# Altium PCB Main_Board.PcbDoc (part 12 of 19)
Units mil, origin at the board's own origin, x right, y up, seen from the top; angles counter-clockwise.
Board outline 5306 x 6610 mil, 12 copper layers ((L1) Top, (L2) Inner 1, (L3) Inner 2, (L4) Inner 3, (L5) Inner 4, (L6) Inner 5, (L7) Inner 6, (L8) Inner 7, (L9) Inner 8, (L10) Inner 9, (L11) Inner 10, (L12) Bottom), stack 94.81 mil thick; 347 components, 571 nets, 2611 pads, 4053 vias.
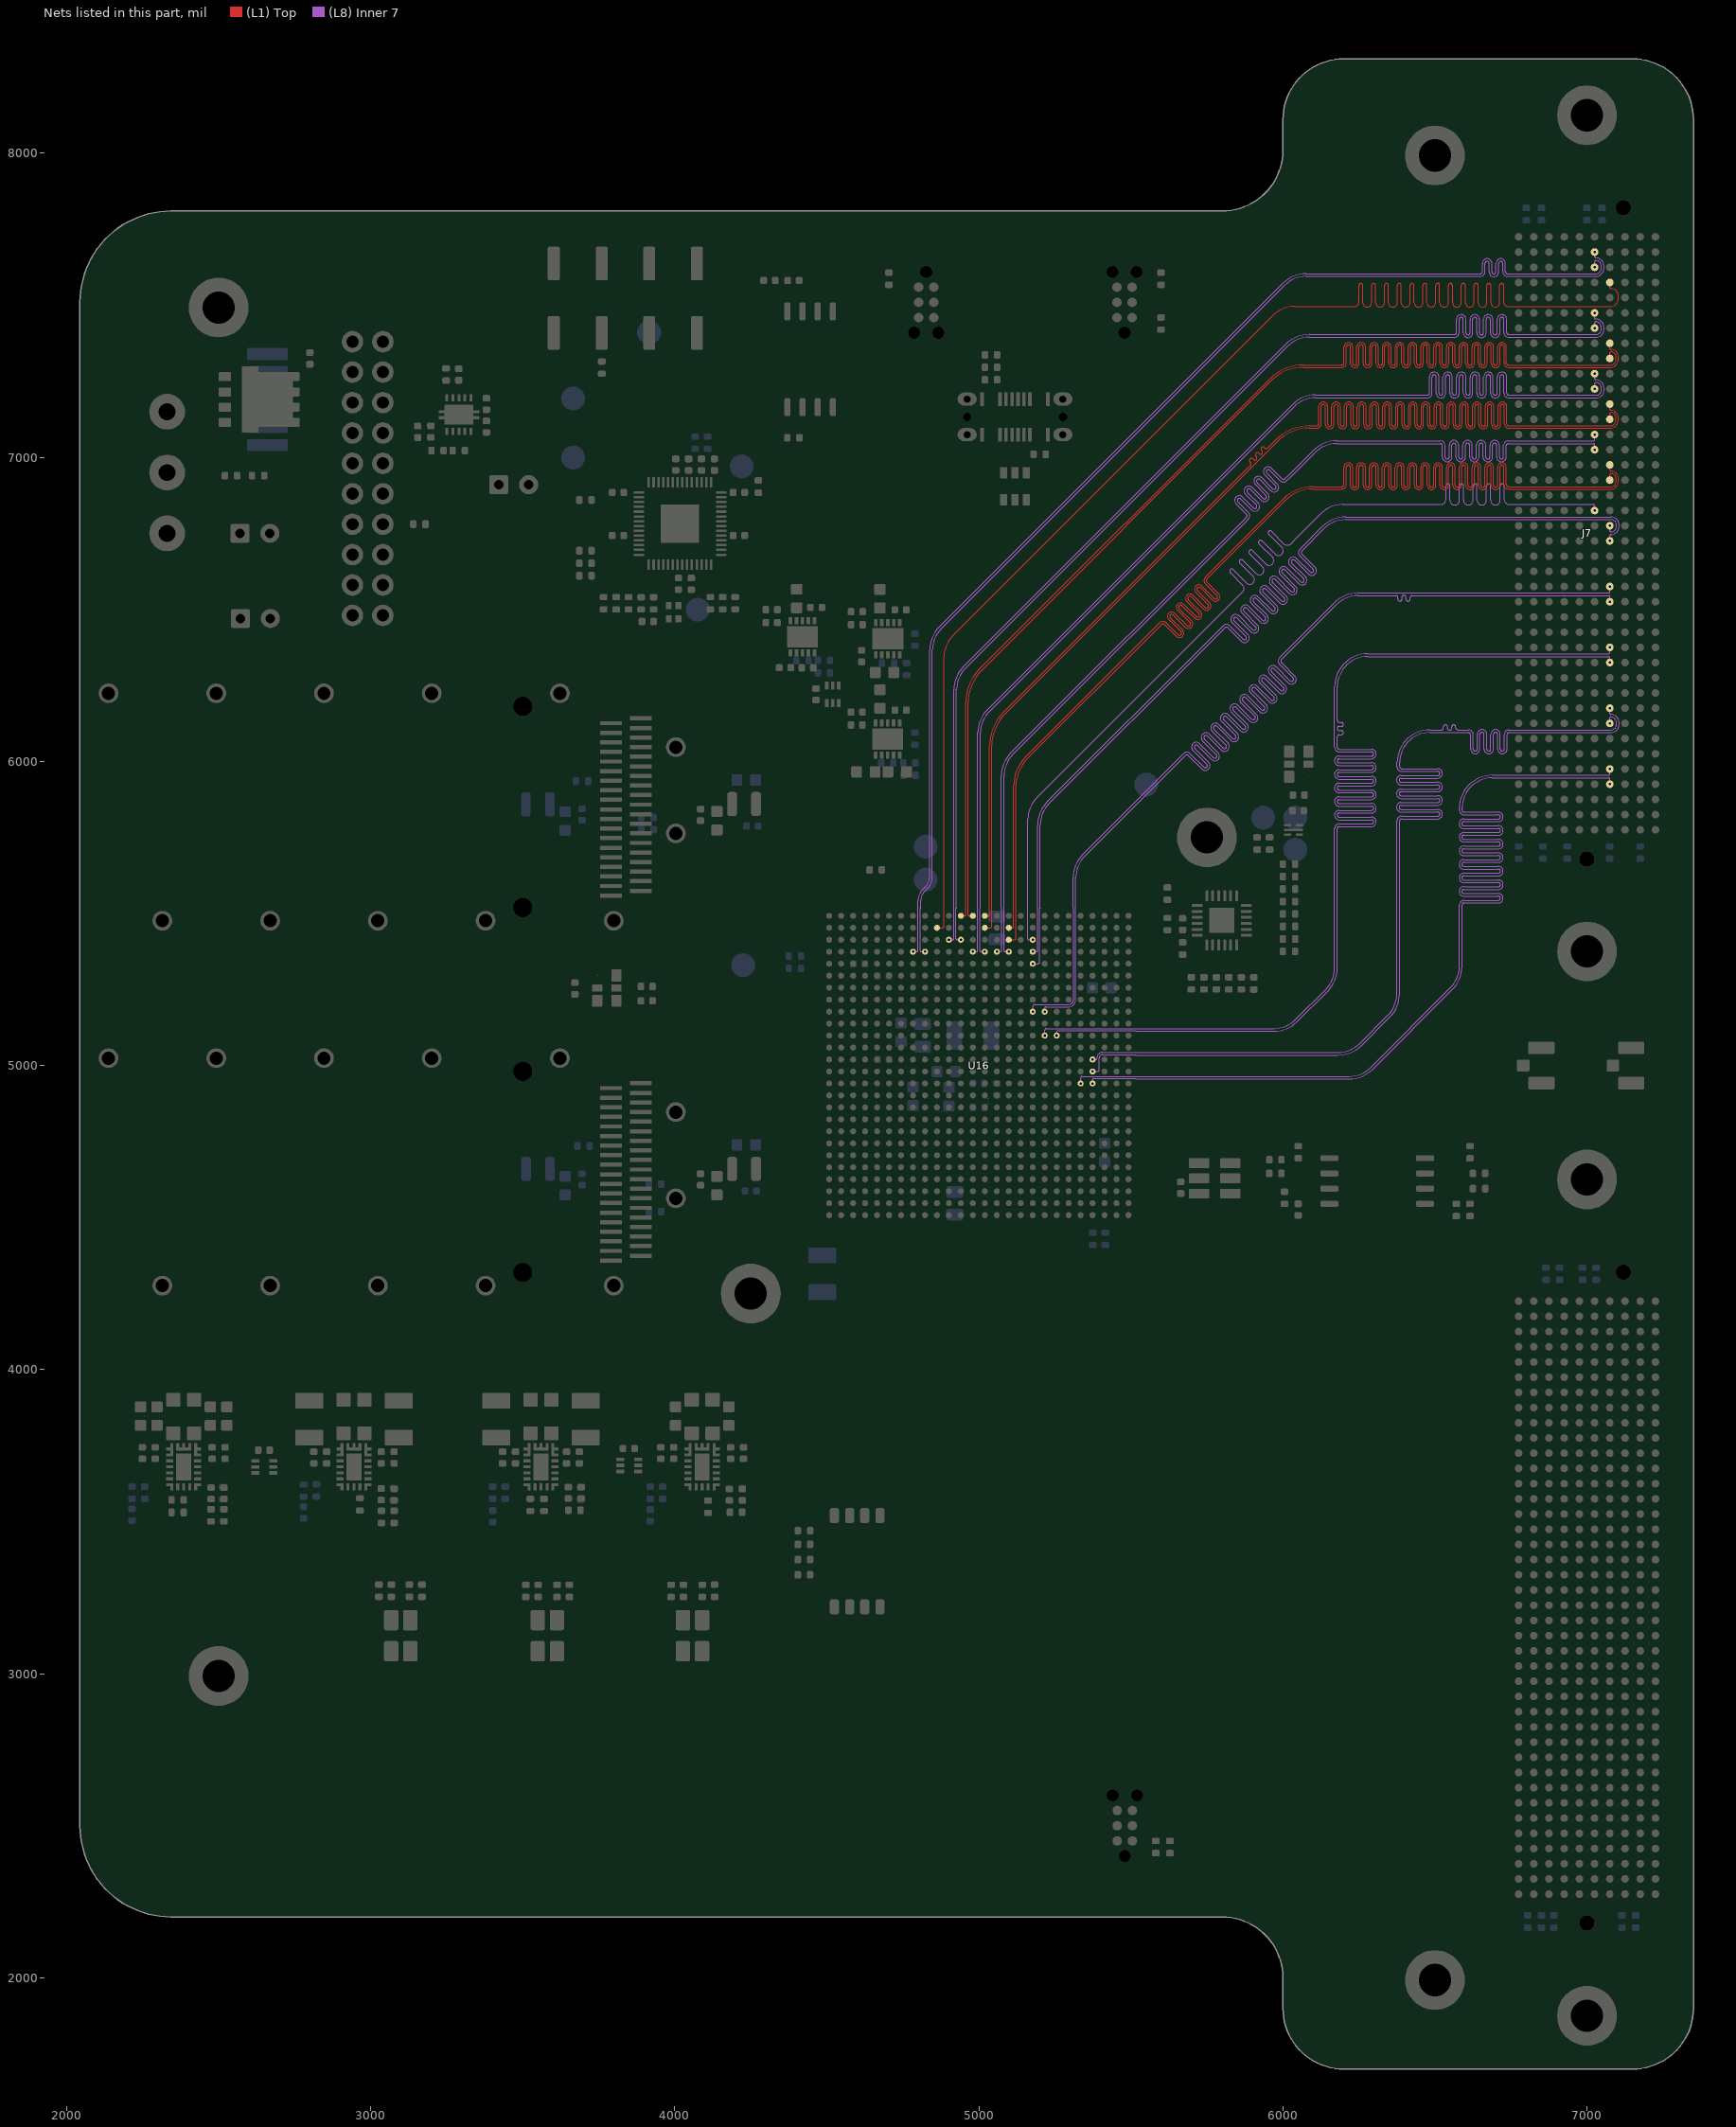
[diagram p22: the nets of this part, all layers, seen from the top]

## Via types
v1: diameter 13.78, hole 7.87, (L1) Top to (L12) Bottom, tented both sides, 4044 vias
v2: diameter 13.78, hole 7.87, (L1) Top to (L12) Bottom, tented bottom, 9 vias

## Nets (pads, with @x,y where several pads share a name; then routed paths per layer and width w, separated by ;. In a path a pad name is that pad's centre, name@x,y a point inside that pad or via, vN(x,y) a via of type N, cw(c..) or ccw(c..) an arc to the next point about the centre after c; other vN are vias at no path point) (continued)
HPCC_B_16_P: J7.D4 U16.B10 | length 5345.9
  (L1) Top w3.5: U16.B10@4862.2,5452.76 4880.09,5452.76 ccw(c4880.09,5457.66) 4885,5457.66 4885,5517.88 4885.2,5518.08 4885.2,6343.78 cw(c4985.2,6343.78) 4914.49,6414.49 5966.71,7466.71 cw(c6037.42,7396) 6037.42,7496 6212.08,7496 6235.22,7496 ccw(c6235.22,7510.3) 6249.52,7510.3 6249.52,7564.87 cw(c6256.27,7564.87) 6263.02,7564.87 6263.02,7508.43 ccw(c6277.32,7508.43) 6291.62,7508.43 6291.62,7564.87 cw(c6298.37,7564.87) 6305.12,7564.87 6305.12,7508.43 ccw(c6319.42,7508.43) 6333.72,7508.43 6333.72,7564.87 cw(c6340.47,7564.87) 6347.22,7564.87 6347.22,7508.43 ccw(c6361.52,7508.43) 6375.82,7508.43 6375.82,7564.87 cw(c6382.57,7564.87) 6389.32,7564.87 6389.32,7508.43 ccw(c6403.62,7508.43) 6417.92,7508.43 6417.92,7564.87 cw(c6424.67,7564.87) 6431.42,7564.87 6431.42,7508.43 ccw(c6445.72,7508.43) 6460.02,7508.43 6460.02,7564.87 cw(c6466.77,7564.87) 6473.52,7564.87 6473.52,7508.43 ccw(c6487.82,7508.43) 6502.12,7508.43 6502.12,7564.87 cw(c6508.87,7564.87) 6515.62,7564.87 6515.62,7508.43 ccw(c6529.92,7508.43) 6544.22,7508.43 6544.22,7564.87 cw(c6550.97,7564.87) 6557.72,7564.87 6557.72,7508.43 ccw(c6572.02,7508.43) 6586.32,7508.43 6586.32,7564.87 cw(c6593.07,7564.87) 6599.82,7564.87 6599.82,7508.43 ccw(c6614.12,7508.43) 6628.42,7508.43 6628.42,7564.87 cw(c6635.17,7564.87) 6641.92,7564.87 6641.92,7508.43 ccw(c6656.22,7508.43) 6670.52,7508.43 6670.52,7564.87 cw(c6677.27,7564.87) 6684.02,7564.87 6684.02,7508.43 ccw(c6698.32,7508.43) 6712.62,7508.43 6712.62,7564.87 cw(c6719.37,7564.87) 6726.12,7564.87 6726.12,7510.3 ccw(c6740.42,7510.3) 6740.42,7496 6767,7496 7076.55,7496 ccw(c7076.55,7523) 7103.55,7523 7103.55,7530 ccw(c7079,7530) 7079,7554.55 cw(c7079,7558.55) 7075,7558.55 J7.D4@7075,7575
HPCC_B_17_N: J7.D9 U16.A12 | length 5113.2
  (L1) Top w3.5: U16.A12@4940.94,5492.13 4953.45,5492.13 ccw(c4953.45,5495.63) 4955.93,5493.15 ccw(c4953.45,5495.63) 4956.95,5495.63 4956.95,6193.08 cw(c5112.79,6193.08) 5002.57,6303.25 ; 5002.6,6303.27 5957.25,7257.93 cw(c6067.42,7147.72) 6067.42,7303.55 6176.68,7303.55 6194.35,7303.55 ccw(c6194.35,7310.3) 6201.1,7310.3 6201.1,7363.04 cw(c6215.4,7363.04) 6229.7,7363.04 6229.7,7309.4 ccw(c6236.45,7309.4) 6243.2,7309.4 6243.2,7363.04 cw(c6257.5,7363.04) 6271.8,7363.04 6271.8,7309.4 ccw(c6278.55,7309.4) 6285.3,7309.4 6285.3,7363.04 cw(c6299.6,7363.04) 6313.9,7363.04 6313.9,7309.4 ccw(c6320.65,7309.4) 6327.4,7309.4 6327.4,7363.04 cw(c6341.7,7363.04) 6356,7363.04 6356,7309.4 ccw(c6362.75,7309.4) 6369.5,7309.4 6369.5,7363.04 cw(c6383.8,7363.04) 6398.1,7363.04 6398.1,7309.4 ccw(c6404.85,7309.4) 6411.6,7309.4 6411.6,7363.04 cw(c6425.9,7363.04) 6440.2,7363.04 6440.2,7309.4 ccw(c6446.95,7309.4) 6453.7,7309.4 6453.7,7363.04 cw(c6468,7363.04) 6482.3,7363.04 6482.3,7309.4 ccw(c6489.05,7309.4) 6495.8,7309.4 6495.8,7363.04 cw(c6510.1,7363.04) 6524.4,7363.04 6524.4,7309.4 ccw(c6531.15,7309.4) 6537.9,7309.4 6537.9,7363.04 cw(c6552.2,7363.04) 6566.5,7363.04 6566.5,7309.4 ccw(c6573.25,7309.4) 6580,7309.4 6580,7363.04 cw(c6594.3,7363.04) 6608.6,7363.04 6608.6,7309.4 ccw(c6615.35,7309.4) 6622.1,7309.4 6622.1,7363.04 cw(c6636.4,7363.04) 6650.7,7363.04 6650.7,7309.4 ccw(c6657.45,7309.4) 6664.2,7309.4 6664.2,7363.04 cw(c6678.5,7363.04) 6692.8,7363.04 6692.8,7309.4 ccw(c6699.55,7309.4) 6706.3,7309.4 6706.3,7363.04 cw(c6720.6,7363.04) 6734.9,7363.04 6734.9,7310.3 ccw(c6741.65,7310.3) 6741.65,7303.55 6768.23,7303.55 6780,7303.55 6780.04,7303.59 7076.59,7303.59 ccw(c7076.59,7323) 7096,7323 7096,7330 ccw(c7079,7330) 7079,7347 ccw(c7079,7343) 7075,7343 J7.D9@7075,7325
HPCC_B_17_P: J7.D8 U16.A13 | length 5123.6
  (L1) Top w3.5: U16.A13@4980.31,5492.13 4967.8,5492.13 cw(c4967.8,5495.63) 4965.33,5493.15 cw(c4967.81,5495.63) 4964.3,5495.63 4964.3,5518.55 4964.5,5518.75 4964.5,6193.08 cw(c5112.79,6193.08) 5007.91,6297.91 ; 5007.94,6297.94 5962.57,7252.57 ; 5962.59,7252.59 cw(c6067.42,7147.72) 6067.42,7296 6176.68,7296 6194.35,7296 ccw(c6194.35,7310.3) 6208.65,7310.3 6208.65,7363.04 cw(c6215.4,7363.04) 6222.15,7363.04 6222.15,7309.4 ccw(c6236.45,7309.4) 6250.75,7309.4 6250.75,7363.04 cw(c6257.5,7363.04) 6264.25,7363.04 6264.25,7309.4 ccw(c6278.55,7309.4) 6292.85,7309.4 6292.85,7363.04 cw(c6299.6,7363.04) 6306.35,7363.04 6306.35,7309.4 ccw(c6320.65,7309.4) 6334.95,7309.4 6334.95,7363.04 cw(c6341.7,7363.04) 6348.45,7363.04 6348.45,7309.4 ccw(c6362.75,7309.4) 6377.05,7309.4 6377.05,7363.04 cw(c6383.8,7363.04) 6390.55,7363.04 6390.55,7309.4 ccw(c6404.85,7309.4) 6419.15,7309.4 6419.15,7363.04 cw(c6425.9,7363.04) 6432.65,7363.04 6432.65,7309.4 ccw(c6446.95,7309.4) 6461.25,7309.4 6461.25,7363.04 cw(c6468,7363.04) 6474.75,7363.04 6474.75,7309.4 ccw(c6489.05,7309.4) 6503.35,7309.4 6503.35,7363.04 cw(c6510.1,7363.04) 6516.85,7363.04 6516.85,7309.4 ccw(c6531.15,7309.4) 6545.45,7309.4 6545.45,7363.04 cw(c6552.2,7363.04) 6558.95,7363.04 6558.95,7309.4 ccw(c6573.25,7309.4) 6587.55,7309.4 6587.55,7363.04 cw(c6594.3,7363.04) 6601.05,7363.04 6601.05,7309.4 ccw(c6615.35,7309.4) 6629.65,7309.4 6629.65,7363.04 cw(c6636.4,7363.04) 6643.15,7363.04 6643.15,7309.4 ccw(c6657.45,7309.4) 6671.75,7309.4 6671.75,7363.04 cw(c6678.5,7363.04) 6685.25,7363.04 6685.25,7309.4 ccw(c6699.55,7309.4) 6713.85,7309.4 6713.85,7363.04 cw(c6720.6,7363.04) 6727.35,7363.04 6727.35,7310.3 ccw(c6741.65,7310.3) 6741.65,7296 6768.23,7296 6783.13,7296 6783.17,7296.04 7076.59,7296.04 ccw(c7076.59,7323) 7103.55,7323 7103.55,7330 ccw(c7079,7330) 7079,7354.55 cw(c7079,7358.55) 7075,7358.55 J7.D8@7075,7375
HPCC_B_18_N: J7.D13 U16.A14 | length 5343.5
  (L1) Top w3.5: U16.A14@5019.69,5492.13 5019.69,5492 5032,5492 ccw(c5032,5495) 5035,5495 5035,6051.13 cw(c5190.83,6051.13) 5080.59,6161.27 5884.58,6965.26 5893.1,6973.78 ccw(c5888.33,6978.55) 5893.1,6983.33 5891.73,6984.7 cw(c5896.5,6989.47) 5891.73,6994.24 cw(c5896.5,6989.47) 5901.28,6994.24 5902.79,6992.73 ccw(c5907.56,6997.5) 5912.34,6992.73 ccw(c5907.56,6997.5) 5912.34,7002.28 5910.82,7003.79 cw(c5915.59,7008.56) 5910.82,7013.34 cw(c5915.59,7008.56) 5920.37,7013.34 5921.88,7011.82 ccw(c5926.65,7016.59) 5931.43,7011.82 ccw(c5926.65,7016.59) 5931.43,7021.37 5929.91,7022.88 cw(c5934.69,7027.65) 5929.91,7032.43 cw(c5934.69,7027.65) 5939.46,7032.43 5940.83,7031.05 ccw(c5945.6,7035.83) 5950.38,7031.05 5961.16,7041.84 5977.26,7057.93 ; 5977.28,7057.96 cw(c6087.42,6947.72) 6087.42,7103.55 6106.03,7103.55 6111.55,7103.55 ccw(c6111.55,7110.3) 6118.3,7110.3 6118.3,7167.04 cw(c6132.6,7167.04) 6146.9,7167.04 6146.9,7108.18 ccw(c6153.65,7108.18) 6160.4,7108.18 6160.4,7167.04 cw(c6174.7,7167.04) 6189,7167.04 6189,7108.18 ccw(c6195.75,7108.18) 6202.5,7108.18 6202.5,7167.04 cw(c6216.8,7167.04) 6231.1,7167.04 6231.1,7108.18 ccw(c6237.85,7108.18) 6244.6,7108.18 6244.6,7167.04 cw(c6258.9,7167.04) 6273.2,7167.04 6273.2,7108.18 ccw(c6279.95,7108.18) 6286.7,7108.18 6286.7,7167.04 cw(c6301,7167.04) 6315.3,7167.04 6315.3,7108.18 ccw(c6322.05,7108.18) 6328.8,7108.18 6328.8,7167.04 cw(c6343.1,7167.04) 6357.4,7167.04 6357.4,7108.18 ccw(c6364.15,7108.18) 6370.9,7108.18 6370.9,7167.04 cw(c6385.2,7167.04) 6399.5,7167.04 6399.5,7108.18 ccw(c6406.25,7108.18) 6413,7108.18 6413,7167.04 cw(c6427.3,7167.04) 6441.6,7167.04 6441.6,7108.18 ccw(c6448.35,7108.18) 6455.1,7108.18 6455.1,7167.04 cw(c6469.4,7167.04) 6483.7,7167.04 6483.7,7108.18 ccw(c6490.45,7108.18) 6497.2,7108.18 6497.2,7167.04 cw(c6511.5,7167.04) 6525.8,7167.04 6525.8,7108.18 ccw(c6532.55,7108.18) 6539.3,7108.18 6539.3,7167.04 cw(c6553.6,7167.04) 6567.9,7167.04 6567.9,7108.18 ccw(c6574.65,7108.18) 6581.4,7108.18 6581.4,7167.04 cw(c6595.7,7167.04) 6610,7167.04 6610,7108.18 ccw(c6616.75,7108.18) 6623.5,7108.18 6623.5,7167.04 cw(c6637.8,7167.04) 6652.1,7167.04 6652.1,7108.18 ccw(c6658.85,7108.18) 6665.6,7108.18 6665.6,7167.04 cw(c6679.9,7167.04) 6694.2,7167.04 6694.2,7108.18 ccw(c6700.95,7108.18) 6707.7,7108.18 6707.7,7167.04 cw(c6722,7167.04) 6736.3,7167.04 6736.3,7110.3 ccw(c6743.05,7110.3) 6743.05,7103.55 6767.37,7103.55 7076.55,7103.55 ccw(c7076.55,7122) 7095,7122 7095,7131 ccw(c7079,7131) 7079,7147 ccw(c7079,7143) 7075,7143 J7.D13@7075,7125
HPCC_B_18_P: J7.D12 U16.B14 | length 5340.9
  (L1) Top w3.5: U16.B14@5019.69,5452.76 5037.76,5452.76 ccw(c5037.76,5457.35) 5042.35,5457.35 5042.35,5518.55 5042.55,5518.75 5042.55,6051.13 cw(c5190.83,6051.13) 5085.93,6155.93 5982.6,7052.6 ; 5982.63,7052.63 cw(c6087.42,6947.72) 6087.42,7096 6106.03,7096 6111.55,7096 ccw(c6111.55,7110.3) 6125.85,7110.3 6125.85,7167.04 cw(c6132.6,7167.04) 6139.35,7167.04 6139.35,7108.18 ccw(c6153.65,7108.18) 6167.95,7108.18 6167.95,7167.04 cw(c6174.7,7167.04) 6181.45,7167.04 6181.45,7108.18 ccw(c6195.75,7108.18) 6210.05,7108.18 6210.05,7167.04 cw(c6216.8,7167.04) 6223.55,7167.04 6223.55,7108.18 ccw(c6237.85,7108.18) 6252.15,7108.18 6252.15,7167.04 cw(c6258.9,7167.04) 6265.65,7167.04 6265.65,7108.18 ccw(c6279.95,7108.18) 6294.25,7108.18 6294.25,7167.04 cw(c6301,7167.04) 6307.75,7167.04 6307.75,7108.18 ccw(c6322.05,7108.18) 6336.35,7108.18 6336.35,7167.04 cw(c6343.1,7167.04) 6349.85,7167.04 6349.85,7108.18 ccw(c6364.15,7108.18) 6378.45,7108.18 6378.45,7167.04 cw(c6385.2,7167.04) 6391.95,7167.04 6391.95,7108.18 ccw(c6406.25,7108.18) 6420.55,7108.18 6420.55,7167.04 cw(c6427.3,7167.04) 6434.05,7167.04 6434.05,7108.18 ccw(c6448.35,7108.18) 6462.65,7108.18 6462.65,7167.04 cw(c6469.4,7167.04) 6476.15,7167.04 6476.15,7108.18 ccw(c6490.45,7108.18) 6504.75,7108.18 6504.75,7167.04 cw(c6511.5,7167.04) 6518.25,7167.04 6518.25,7108.18 ccw(c6532.55,7108.18) 6546.85,7108.18 6546.85,7167.04 cw(c6553.6,7167.04) 6560.35,7167.04 6560.35,7108.18 ccw(c6574.65,7108.18) 6588.95,7108.18 6588.95,7167.04 cw(c6595.7,7167.04) 6602.45,7167.04 6602.45,7108.18 ccw(c6616.75,7108.18) 6631.05,7108.18 6631.05,7167.04 cw(c6637.8,7167.04) 6644.55,7167.04 6644.55,7108.18 ccw(c6658.85,7108.18) 6673.15,7108.18 6673.15,7167.04 cw(c6679.9,7167.04) 6686.65,7167.04 6686.65,7108.18 ccw(c6700.95,7108.18) 6715.25,7108.18 6715.25,7167.04 cw(c6722,7167.04) 6728.75,7167.04 6728.75,7110.3 ccw(c6743.05,7110.3) 6743.05,7096 6767.37,7096 7076.55,7096 ccw(c7076.55,7122) 7102.55,7122 7102.55,7131 ccw(c7079,7131) 7079,7154.55 cw(c7079,7158.55) 7075,7158.55 J7.D12@7075,7175
HPCC_B_19_N: J7.D17 U16.B16 | length 5487.4
  (L1) Top w3.5: U16.B16@5098.43,5452.76 5110.76,5452.76 ccw(c5110.76,5456.44) 5114.44,5456.44 5114.44,5920.57 cw(c5246.13,5920.57) 5152.99,6013.66 ; 5153.01,6013.69 5581.34,6442.02 5595.41,6456.09 cw(c5605.52,6445.97) 5614.39,6457.19 5614.53,6457.19 5615.62,6456.1 ; 5615.63,6456.09 5654.75,6416.97 ccw(c5659.52,6421.74) 5664.29,6416.97 ccw(c5659.52,6421.74) 5664.28,6426.53 ; 5624.1,6486.87 ccw(c5634.24,6476.79) 5624.15,6466.66 5664.27,6426.54 ; 5624.13,6486.9 cw(c5634.24,6476.79) 5643.11,6488.01 5643.25,6488.01 5684.52,6446.74 ccw(c5689.29,6451.51) 5694.06,6446.74 ccw(c5689.29,6451.51) 5694.05,6456.3 5653.93,6496.42 ; 5653.87,6516.64 ccw(c5664.01,6506.56) 5653.92,6496.43 ; 5653.9,6516.67 cw(c5664.01,6506.56) 5672.88,6517.78 5673.02,6517.78 5714.29,6476.51 ccw(c5719.06,6481.28) 5723.83,6476.51 ccw(c5719.06,6481.28) 5723.82,6486.07 ; 5683.63,6546.41 ccw(c5693.78,6536.33) 5683.69,6526.2 5723.8,6486.08 ; 5683.67,6546.44 cw(c5693.78,6536.33) 5702.65,6547.55 5702.79,6547.55 5744.05,6506.28 ccw(c5748.83,6511.05) 5753.6,6506.28 ccw(c5748.83,6511.05) 5753.59,6515.83 ; 5713.4,6576.18 ccw(c5723.55,6566.1) 5713.46,6555.96 5753.57,6515.85 ; 5713.44,6576.21 cw(c5723.55,6566.1) 5732.42,6577.32 5732.55,6577.32 5773.82,6536.05 ccw(c5778.6,6540.82) 5783.37,6536.05 ccw(c5778.6,6540.82) 5783.36,6545.6 5744.25,6584.71 cw(c5754.37,6594.82) 5744.25,6604.93 5748.16,6608.84 6004.3,6864.98 cw(c6097.42,6771.86) 6097.42,6903.55 6175.49,6903.55 6194.08,6903.55 ccw(c6194.08,6910.3) 6200.83,6910.3 6200.83,6967.29 cw(c6215.13,6967.29) 6229.43,6967.29 6229.43,6908.34 ccw(c6236.18,6908.34) 6242.93,6908.34 6242.93,6967.29 cw(c6257.23,6967.29) 6271.53,6967.29 6271.53,6908.34 ccw(c6278.28,6908.34) 6285.03,6908.34 6285.03,6967.29 cw(c6299.33,6967.29) 6313.63,6967.29 6313.63,6908.34 ccw(c6320.38,6908.34) 6327.13,6908.34 6327.13,6967.29 cw(c6341.43,6967.29) 6355.73,6967.29 6355.73,6908.34 ccw(c6362.48,6908.34) 6369.23,6908.34 6369.23,6967.29 cw(c6383.53,6967.29) 6397.83,6967.29 6397.83,6908.34 ccw(c6404.58,6908.34) 6411.33,6908.34 6411.33,6967.29 cw(c6425.63,6967.29) 6439.93,6967.29 6439.93,6908.34 ccw(c6446.68,6908.34) 6453.43,6908.34 6453.43,6967.29 cw(c6467.73,6967.29) 6482.03,6967.29 6482.03,6908.34 ccw(c6488.78,6908.34) 6495.53,6908.34 6495.53,6967.29 cw(c6509.83,6967.29) 6524.13,6967.29 6524.13,6908.34 ccw(c6530.88,6908.34) 6537.63,6908.34 6537.63,6967.29 cw(c6551.93,6967.29) 6566.23,6967.29 6566.23,6908.34 ccw(c6572.98,6908.34) 6579.73,6908.34 6579.73,6967.29 cw(c6594.03,6967.29) 6608.33,6967.29 6608.33,6908.34 ccw(c6615.08,6908.34) 6621.83,6908.34 6621.83,6967.29 cw(c6636.13,6967.29) 6650.43,6967.29 6650.43,6908.34 ccw(c6657.18,6908.34) 6663.93,6908.34 6663.93,6967.29 cw(c6678.23,6967.29) 6692.53,6967.29 6692.53,6908.34 ccw(c6699.28,6908.34) 6706.03,6908.34 6706.03,6967.29 cw(c6720.33,6967.29) 6734.63,6967.29 6734.63,6910.3 ccw(c6741.38,6910.3) 6741.38,6903.55 6767.96,6903.55 7079.55,6903.55 ccw(c7079.55,6919) 7095,6919 7095,6932 ccw(c7080,6932) 7080,6947 ccw(c7080,6942) 7075,6942 J7.D17@7075,6925
HPCC_B_19_P: J7.D16 U16.C16 | length 5544.8
  (L1) Top w3.5: U16.C16@5098.43,5413.39 5098.43,5413 5117,5413 ccw(c5117,5417.79) 5121.79,5417.79 5121.79,5518.55 5121.99,5518.75 5121.99,5920.57 cw(c5246.13,5920.57) 5158.32,6008.32 ; 5158.35,6008.35 5586.68,6436.68 5600.75,6450.75 cw(c5605.52,6445.97) 5610.31,6450.73 ; 5610.32,6450.72 5649.38,6411.66 ccw(c5659.52,6421.74) 5669.6,6411.6 ; 5639.02,6481.55 ccw(c5634.24,6476.79) 5629.47,6481.56 ccw(c5634.24,6476.79) 5629.47,6472.02 5670.74,6430.75 5670.74,6430.61 cw(c5659.52,6421.74) 5669.63,6411.63 ; 5639.04,6481.54 5679.15,6441.43 ; 5679.15,6441.42 ccw(c5689.29,6451.51) 5699.37,6441.37 ; 5698.56,6541.09 ccw(c5693.78,6536.33) 5689.01,6541.1 ccw(c5693.78,6536.33) 5689.01,6531.56 5730.28,6490.29 5730.28,6490.15 cw(c5719.06,6481.28) 5729.17,6471.17 cw(c5719.06,6481.28) 5708.92,6471.19 5668.81,6511.31 ccw(c5664.01,6506.56) 5659.24,6511.33 ccw(c5664.01,6506.56) 5659.24,6501.79 5700.51,6460.52 5700.51,6460.38 cw(c5689.29,6451.51) 5699.4,6441.4 ; 5698.58,6541.08 5738.69,6500.97 ccw(c5748.83,6511.05) 5758.9,6500.91 ; 5758.94,6500.94 ccw(c5748.83,6511.05) 5760.04,6519.92 5760.04,6520.06 5718.78,6561.33 cw(c5723.55,6566.1) 5718.78,6570.87 cw(c5723.55,6566.1) 5728.33,6570.86 5768.46,6530.74 ccw(c5778.6,6540.82) 5788.67,6530.68 ; 5788.71,6530.71 ccw(c5778.6,6540.82) 5789.81,6549.69 5789.81,6549.83 5749.59,6590.05 cw(c5754.37,6594.82) 5749.59,6599.59 5753.5,6603.5 6009.64,6859.64 cw(c6097.42,6771.86) 6097.42,6896 6175.49,6896 6194.08,6896 ccw(c6194.08,6910.3) 6208.38,6910.3 6208.38,6967.29 cw(c6215.13,6967.29) 6221.88,6967.29 6221.88,6908.34 ccw(c6236.18,6908.34) 6250.48,6908.34 6250.48,6967.29 cw(c6257.23,6967.29) 6263.98,6967.29 6263.98,6908.34 ccw(c6278.28,6908.34) 6292.58,6908.34 6292.58,6967.29 cw(c6299.33,6967.29) 6306.08,6967.29 6306.08,6908.34 ccw(c6320.38,6908.34) 6334.68,6908.34 6334.68,6967.29 cw(c6341.43,6967.29) 6348.18,6967.29 6348.18,6908.34 ccw(c6362.48,6908.34) 6376.78,6908.34 6376.78,6967.29 cw(c6383.53,6967.29) 6390.28,6967.29 6390.28,6908.34 ccw(c6404.58,6908.34) 6418.88,6908.34 6418.88,6967.29 cw(c6425.63,6967.29) 6432.38,6967.29 6432.38,6908.34 ccw(c6446.68,6908.34) 6460.98,6908.34 6460.98,6967.29 cw(c6467.73,6967.29) 6474.48,6967.29 6474.48,6908.34 ccw(c6488.78,6908.34) 6503.08,6908.34 6503.08,6967.29 cw(c6509.83,6967.29) 6516.58,6967.29 6516.58,6908.34 ccw(c6530.88,6908.34) 6545.18,6908.34 6545.18,6967.29 cw(c6551.93,6967.29) 6558.68,6967.29 6558.68,6908.34 ccw(c6572.98,6908.34) 6587.28,6908.34 6587.28,6967.29 cw(c6594.03,6967.29) 6600.78,6967.29 6600.78,6908.34 ccw(c6615.08,6908.34) 6629.38,6908.34 6629.38,6967.29 cw(c6636.13,6967.29) 6642.88,6967.29 6642.88,6908.34 ccw(c6657.18,6908.34) 6671.48,6908.34 6671.48,6967.29 cw(c6678.23,6967.29) 6684.98,6967.29 6684.98,6908.34 ccw(c6699.28,6908.34) 6713.58,6908.34 6713.58,6967.29 cw(c6720.33,6967.29) 6727.08,6967.29 6727.08,6910.3 ccw(c6741.38,6910.3) 6741.38,6896 6767.96,6896 7079.55,6896 ccw(c7079.55,6919) 7102.55,6919 7102.55,6932 ccw(c7080,6932) 7080,6954.55 cw(c7080,6959.55) 7075,6959.55 J7.D16@7075,6975
HPCC_B_20_N: J7.D21 U16.D18 | length 4085.1
  (L8) Inner 7 w3.5: v1(5177.17,5374.02) 5189,5374 ccw(c5189,5378.03) 5193.03,5378.03 5193.03,5790.41 cw(c5301.83,5790.41) 5224.9,5867.35 5767.53,6409.98 5803.13,6445.58 cw(c5814.13,6434.58) 5825.12,6445.58 5869.09,6401.61 ccw(c5873.84,6406.41) 5878.61,6401.64 ccw(c5873.84,6406.41) 5878.6,6411.2 5833.59,6456.2 cw(c5844.56,6467.22) 5833.57,6478.22 cw(c5844.56,6467.22) 5854.1,6479.51 5854.27,6479.51 5900.63,6433.15 ccw(c5905.38,6437.95) 5910.15,6433.17 ccw(c5905.38,6437.95) 5910.13,6442.74 ; 5865.12,6487.75 cw(c5876.1,6498.76) 5865.1,6509.76 cw(c5876.1,6498.76) 5885.63,6511.05 5885.81,6511.05 5932.16,6464.69 ccw(c5936.91,6469.48) 5941.69,6464.71 ccw(c5936.91,6469.48) 5941.67,6474.27 ; 5865.13,6487.74 5910.12,6442.75 ; 5896.67,6519.27 5941.66,6474.28 ; 5896.66,6519.29 cw(c5907.64,6530.3) 5896.64,6541.29 cw(c5907.64,6530.3) 5917.17,6542.58 5917.34,6542.58 5963.7,6496.23 ccw(c5968.45,6501.02) 5973.22,6496.25 ccw(c5968.45,6501.02) 5973.21,6505.81 5928.2,6550.81 cw(c5939.17,6561.83) 5928.18,6572.83 cw(c5939.17,6561.83) 5948.71,6574.12 5948.88,6574.12 5995.24,6527.76 ccw(c5999.99,6532.56) 6004.76,6527.78 ccw(c5999.99,6532.56) 6004.74,6537.35 5959.74,6582.35 cw(c5970.71,6593.37) 5959.71,6604.37 cw(c5970.71,6593.37) 5980.24,6605.66 5980.42,6605.66 6026.77,6559.3 ccw(c6031.52,6564.09) 6036.3,6559.32 ccw(c6031.52,6564.09) 6036.28,6568.88 ; 5991.27,6613.9 cw(c6002.25,6624.91) 5991.25,6635.9 cw(c6002.25,6624.91) 6011.78,6637.19 6011.95,6637.19 6058.31,6590.84 ccw(c6063.06,6595.63) 6067.83,6590.86 ccw(c6063.06,6595.63) 6067.82,6600.42 ; 5991.28,6613.89 6036.27,6568.89 ; 6022.81,6645.42 6067.81,6600.43 ; 6022.8,6645.43 cw(c6033.78,6656.44) 6022.79,6667.44 cw(c6033.78,6656.44) 6043.32,6668.73 6043.49,6668.73 6089.85,6622.37 ccw(c6094.6,6627.17) 6099.37,6622.39 ccw(c6094.6,6627.17) 6099.35,6631.96 6055.46,6675.86 cw(c6066.42,6686.88) 6055.43,6697.87 6059.78,6702.22 6129.49,6771.93 cw(c6206.42,6695) 6206.42,6803.8 7079,6803.8 cw(c7079,6777) 7105.8,6777 7105.8,6773 cw(c7079,6773) 7079,6746.2 ccw(c7079,6742.2) 7075,6742.2 v1(7075,6725)
HPCC_B_20_P: J7.D20 U16.E18 | length 4088.4
  (L8) Inner 7 w3.5: v1(5177.17,5334.65) 5193.65,5334.65 ccw(c5193.65,5341.38) 5200.38,5341.38 5200.38,5516.23 cw(c5202.86,5516.23) 5201.11,5517.98 ccw(c5199.36,5519.73) 5201.83,5519.73 5201.83,5790.41 cw(c5301.83,5790.41) 5231.12,5861.12 5773.76,6403.76 5809.36,6439.36 cw(c5814.13,6434.58) 5818.9,6439.36 5862.82,6395.44 ; 5849.36,6471.97 5894.35,6426.98 ; 5849.35,6471.98 ccw(c5844.56,6467.22) 5839.79,6472 ccw(c5844.56,6467.22) 5839.77,6462.47 5886.12,6416.12 5886.12,6415.94 cw(c5873.84,6406.41) 5884.83,6395.41 cw(c5873.84,6406.41) 5862.83,6395.43 ; 5894.36,6426.97 ccw(c5905.38,6437.95) 5916.37,6426.95 ccw(c5905.38,6437.95) 5917.66,6447.48 5917.66,6447.65 5871.3,6494.01 cw(c5876.1,6498.76) 5871.33,6503.53 cw(c5876.1,6498.76) 5880.89,6503.52 5925.89,6458.52 ccw(c5936.91,6469.48) 5947.91,6458.49 ccw(c5936.91,6469.48) 5949.2,6479.02 5949.2,6479.19 5902.84,6525.55 cw(c5907.64,6530.3) 5902.86,6535.07 cw(c5907.64,6530.3) 5912.42,6535.05 ; 5912.44,6535.04 5957.43,6490.05 ccw(c5968.45,6501.02) 5979.45,6490.02 ccw(c5968.45,6501.02) 5980.73,6510.55 5980.73,6510.73 5934.38,6557.08 cw(c5939.17,6561.83) 5934.4,6566.61 cw(c5939.17,6561.83) 5943.96,6566.59 5988.96,6521.59 ; 5975.51,6598.12 6020.5,6553.13 ; 5975.5,6598.13 ccw(c5970.71,6593.37) 5965.94,6598.14 ccw(c5970.71,6593.37) 5965.91,6588.62 6012.27,6542.26 6012.27,6542.09 cw(c5999.99,6532.56) 6010.98,6521.56 cw(c5999.99,6532.56) 5988.98,6521.58 ; 6020.51,6553.11 ccw(c6031.52,6564.09) 6042.52,6553.1 ccw(c6031.52,6564.09) 6043.81,6573.63 6043.81,6573.8 5997.45,6620.16 cw(c6002.25,6624.91) 5997.47,6629.68 cw(c6002.25,6624.91) 6007.04,6629.66 6052.04,6584.66 ccw(c6063.06,6595.63) 6074.06,6584.64 ccw(c6063.06,6595.63) 6075.34,6605.16 6075.34,6605.34 6028.99,6651.69 cw(c6033.78,6656.44) 6029.01,6661.22 cw(c6033.78,6656.44) 6038.57,6661.2 ; 6038.58,6661.19 6083.57,6616.2 ; 6083.59,6616.19 ccw(c6094.6,6627.17) 6105.59,6616.17 ccw(c6094.6,6627.17) 6106.88,6636.7 6106.88,6636.87 6061.65,6682.11 cw(c6066.42,6686.88) 6061.65,6691.65 6066,6696 6135.71,6765.71 cw(c6206.42,6695) 6206.42,6795 7079,6795 cw(c7079,6777) 7097,6777 7097,6773 cw(c7079,6773) 7079,6755 cw(c7079,6759) 7075,6759 v1(7075,6775)